# Altium PCB IntelligentCarFor51PcbDoc.PcbDoc (part 5 of 14)
Units mil, origin at the board's own origin, x right, y up, seen from the top; angles counter-clockwise.
Board outline 2298.05 x 2090.03 mil, 2 copper layers (Top Layer, Bottom Layer); 55 components, 66 nets, 258 pads, 143 vias.
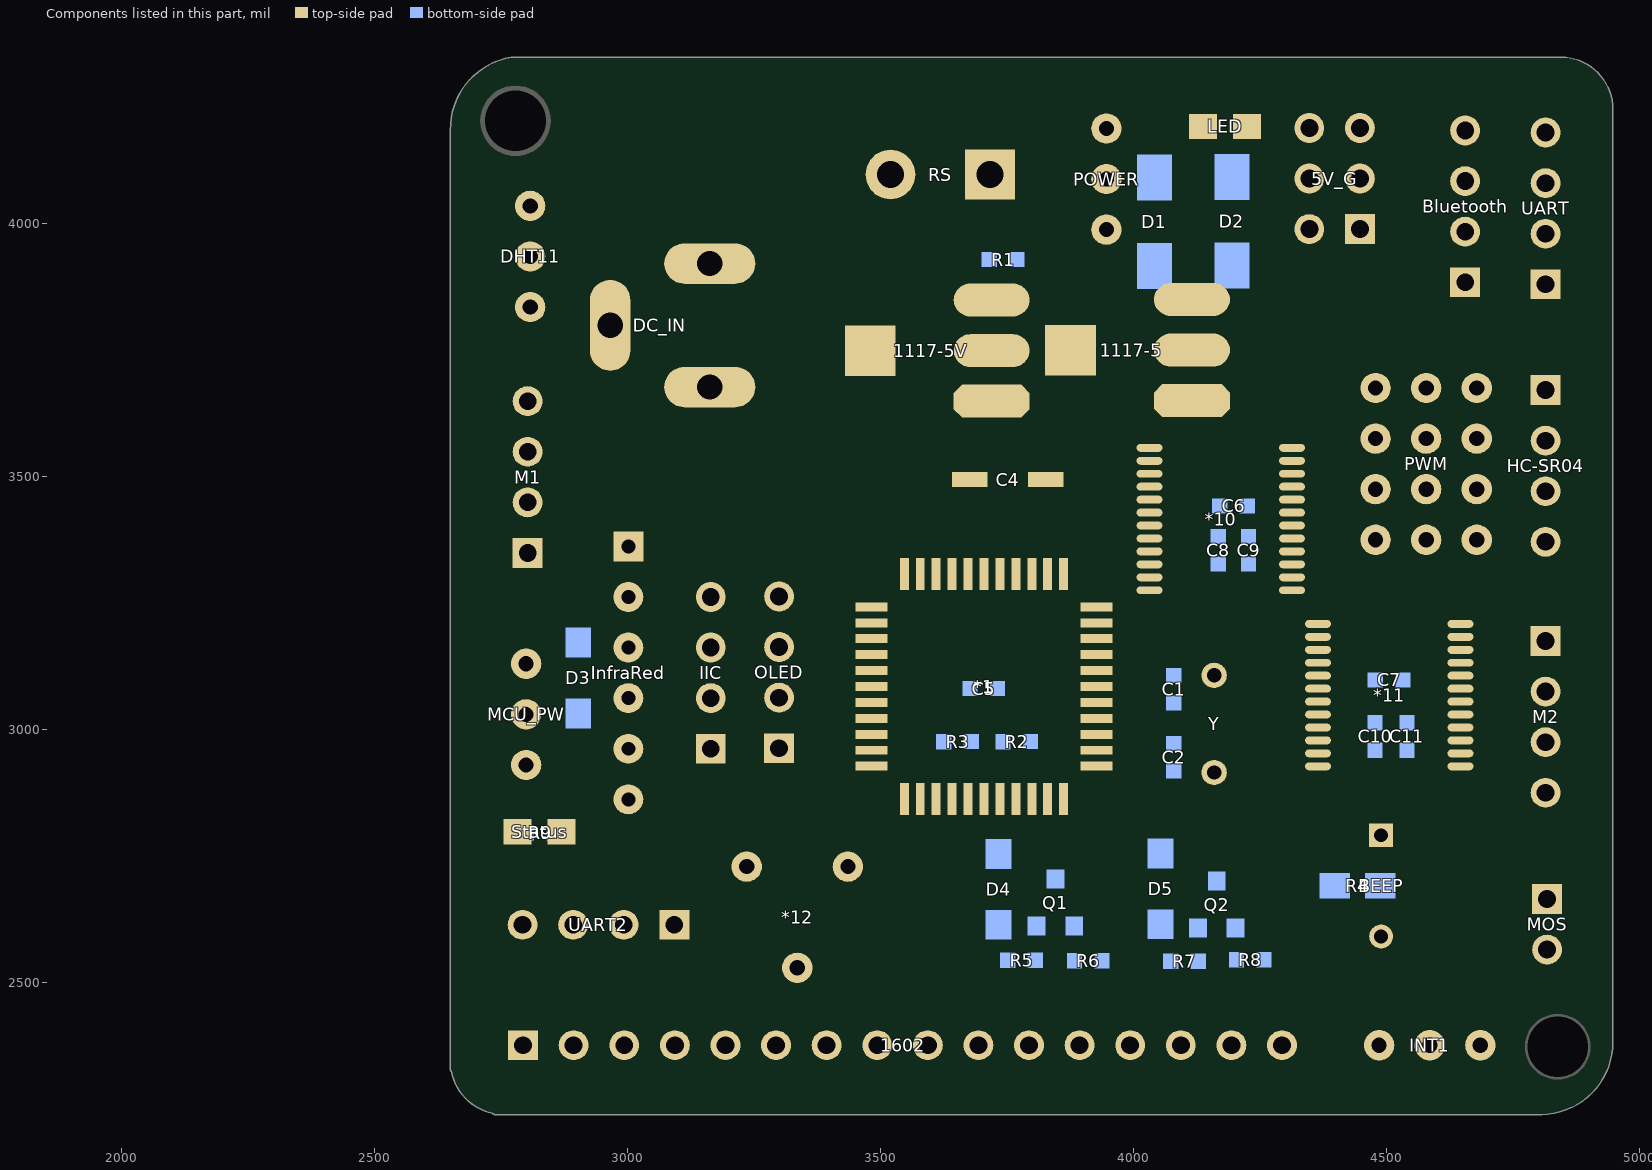
[diagram p5: the components of this part, seen from the top]

## Via types
v1: diameter 12, hole 8, Top Layer to Bottom Layer, 53 vias
v2: diameter 10, hole 7, Top Layer to Bottom Layer, 20 vias
v3: diameter 20, hole 12, Top Layer to Bottom Layer, 15 vias
v4: diameter 35, hole 25, Top Layer to Bottom Layer, 13 vias
v5: diameter 15, hole 10, Top Layer to Bottom Layer, 10 vias
v6: diameter 18, hole 12, Top Layer to Bottom Layer, 10 vias
v7: diameter 50, hole 35, Top Layer to Bottom Layer, 7 vias
v8: diameter 30, hole 20, Top Layer to Bottom Layer, 5 vias
v9: diameter 12, hole 7, Top Layer to Bottom Layer, 3 vias
v10: diameter 25, hole 18, Top Layer to Bottom Layer, 2 vias
v11: diameter 40, hole 30, Top Layer to Bottom Layer, 2 vias
v12: diameter 8, hole 7, Top Layer to Bottom Layer, 1 vias
v13: diameter 30, hole 22, Top Layer to Bottom Layer, 1 vias
v14: diameter 24, hole 18, Top Layer to Bottom Layer, 1 vias

## Nets (pads, with @x,y where several pads share a name; then routed paths per layer and width w, separated by ;. In a path a pad name is that pad's centre, name@x,y a point inside that pad or via, vN(x,y) a via of type N, cw(c..) or ccw(c..) an arc to the next point about the centre after c; other vN are vias at no path point) (continued)
copper on no net: (continued)
  Top Layer w0.3: 2202.8,3656.2 2204,3656.2 ; 2202.8,3656.5 2204,3656.5 ; 2202.8,3656.8 2203.7,3656.8 ; 2202.8,3671.5 2205.8,3671.5 ; 2202.8,3680.8 2204.3,3680.8 ; 2202.8,3774.4 2204.9,3774.4 ; 2203,4037.8 2205.1,4037.8 ; 2203,4055.5 2203.6,4055.5 ; 2203.1,3627.4 2210.6,3627.4 ; 2203.1,3627.7 2211.8,3627.7 ; 2203.1,3628 2213.3,3628 ; 2203.1,3655.3 2204.3,3655.3 ; 2203.1,3655.6 2204.3,3655.6 ; 2203.1,3655.9 2204,3655.9 ; 2203.1,3670.9 2206.1,3670.9 ; 2203.1,3671.2 2206.1,3671.2 ; 2203.1,3680.5 2204.6,3680.5 ; 2203.1,3760.3 2215.7,3760.3 ; 2203.1,3774.1 2204.9,3774.1 ; 2203.3,4037.5 2205.4,4037.5 ; 2203.3,4055.2 2203.9,4055.2 ; 2203.4,3628.3 2214.5,3628.3 ; 2203.4,3628.6 2215.7,3628.6 ; 2203.4,3628.9 2217.2,3628.9 ; 2203.4,3629.2 2218.4,3629.2 ; 2203.4,3654.4 2204.6,3654.4 ; 2203.4,3654.7 2204.6,3654.7 ; 2203.4,3655 2204.3,3655 ; 2203.4,3670.6 2206.1,3670.6 ; 2203.4,3680.2 2204.9,3680.2 ; 2203.4,3763.9 2210.3,3763.9 ; 2203.4,3773.8 2205.2,3773.8 ; 2203.6,4037.2 2205.7,4037.2 ; 2203.7,3629.5 2219.6,3629.5 ; 2203.7,3629.8 2220.8,3629.8 ; 2203.7,3630.1 2222,3630.1 ; 2203.7,3653.2 2204.9,3653.2 ; 2203.7,3653.5 2204.9,3653.5 ; 2203.7,3653.8 2204.9,3653.8 ; 2203.7,3654.1 2204.6,3654.1 ; 2203.7,3670.3 2206.4,3670.3 ; 2203.7,3679.6 2205.5,3679.6 ; 2203.7,3679.9 2205.2,3679.9 ; 2203.7,3753.7 2212.7,3753.7 ; 2203.7,3769.9 2205.2,3769.9 ; 2203.7,3770.2 2205.2,3770.2 ; 2203.7,3770.5 2205.2,3770.5 ; 2203.7,3770.8 2205.2,3770.8 ; 2203.7,3771.1 2205.2,3771.1 ; 2203.7,3771.4 2205.2,3771.4 ; 2203.7,3771.7 2205.2,3771.7 ; 2203.7,3772 2205.2,3772 ; 2203.7,3772.3 2205.2,3772.3 ; 2203.7,3772.6 2205.2,3772.6 ; 2203.7,3772.9 2205.2,3772.9 ; 2203.7,3773.2 2205.2,3773.2 ; 2203.7,3773.5 2205.2,3773.5 ; 2203.9,4036.9 2206.3,4036.9 ; 2203.9,4054.9 2204.2,4054.9 ; 2204,3630.4 2223.2,3630.4 ; 2204,3630.7 2224.7,3630.7 ; 2204,3631 2226.2,3631 ; 2204,3631.3 2227.4,3631.3 ; 2204,3652 2205.2,3652 ; 2204,3652.3 2205.2,3652.3 ; 2204,3652.6 2205.2,3652.6 ; 2204,3652.9 2204.9,3652.9 ; 2204,3669.7 2206.4,3669.7 ; 2204,3670 2206.4,3670 ; 2204,3679.3 2205.5,3679.3 ; 2204.2,4036.6 2206.6,4036.6 ; 2204.2,4054.6 2204.5,4054.6 ; 2204.3,3631.6 2228.6,3631.6 ; 2204.3,3631.9 2229.8,3631.9 ; 2204.3,3632.2 2231,3632.2 ; 2204.3,3632.5 2232.5,3632.5 ; 2204.3,3632.8 2233.4,3632.8 ; 2204.3,3650.5 2205.5,3650.5 ; 2204.3,3650.8 2205.5,3650.8 ; 2204.3,3651.1 2205.5,3651.1 ; 2204.3,3651.4 2205.5,3651.4 ; 2204.3,3651.7 2205.5,3651.7 ; 2204.3,3669.4 2206.7,3669.4 ; 2204.3,3678.7 2206.1,3678.7 ; 2204.3,3679 2205.8,3679 ; 2204.5,4036 2207.5,4036 ; 2204.5,4036.3 2206.9,4036.3 ; 2204.5,4054.3 2204.8,4054.3 ; 2204.6,3633.1 2234.9,3633.1 ; 2204.6,3633.4 2236.1,3633.4 ; 2204.6,3633.7 2237.6,3633.7 ; 2204.6,3634 2238.8,3634 ; 2204.6,3634.3 2240.3,3634.3 ; 2204.6,3634.6 2241.5,3634.6 ; 2204.6,3648.7 2206.1,3648.7 ; 2204.6,3649 2205.8,3649 ; 2204.6,3649.3 2205.8,3649.3 ; 2204.6,3649.6 2205.8,3649.6 ; 2204.6,3649.9 2205.8,3649.9 ; 2204.6,3650.2 2205.8,3650.2 ; 2204.6,3668.8 2207,3668.8 ; 2204.6,3669.1 2206.7,3669.1 ; 2204.6,3678.4 2206.1,3678.4 ; 2204.6,3760 2216.9,3760 ; 2204.8,4031.2 2219.5,4031.2 ; 2204.8,4035.7 2208.1,4035.7 ; 2204.8,4054 2205.1,4054 ; 2204.9,3634.9 2243,3634.9 ; 2204.9,3635.2 2244.8,3635.2 ; 2204.9,3635.5 2246.3,3635.5 ; 2204.9,3635.8 2247.8,3635.8 ; 2204.9,3636.1 2249.6,3636.1 ; 2204.9,3636.4 2251.1,3636.4 ; 2204.9,3636.7 2252.9,3636.7 ; 2204.9,3637 2254.4,3637 ; 2204.9,3646 2210.3,3646 ; 2204.9,3646.3 2210.3,3646.3 ; 2204.9,3646.6 2210.3,3646.6 ; 2204.9,3646.9 2210.3,3646.9 ; 2204.9,3647.2 2206.7,3647.2 ; 2204.9,3647.5 2206.4,3647.5 ; 2204.9,3647.8 2206.1,3647.8 ; 2204.9,3648.1 2206.1,3648.1 ; 2204.9,3648.4 2206.1,3648.4 ; 2204.9,3668.2 2207,3668.2 ; 2204.9,3668.5 2207,3668.5 ; 2204.9,3678.1 2206.4,3678.1 ; 2205.1,4030.9 2221.6,4030.9 ; 2205.1,4035.4 2208.7,4035.4 ; 2205.1,4053.7 2205.4,4053.7 ; 2205.2,3637.3 2255.9,3637.3 ; 2205.2,3637.6 2257.7,3637.6 ; 2205.2,3637.9 2259.2,3637.9 ; 2205.2,3638.2 2260.7,3638.2 ; 2205.2,3638.5 2262.5,3638.5 ; 2205.2,3638.8 2264,3638.8 ; 2205.2,3639.1 2265.5,3639.1 ; 2205.2,3639.4 2267,3639.4 ; 2205.2,3639.7 2268.5,3639.7 ; 2205.2,3640 2270,3640 ; 2205.2,3640.3 2271.5,3640.3 ; 2205.2,3640.6 2210.9,3640.6 ; 2205.2,3640.9 2210.9,3640.9 ; 2205.2,3641.2 2210.6,3641.2 ; 2205.2,3641.5 2210.6,3641.5 ; 2205.2,3641.8 2210.6,3641.8 ; 2205.2,3642.1 2210.6,3642.1 ; 2205.2,3642.4 2210.6,3642.4 ; 2205.2,3642.7 2210.6,3642.7 ; 2205.2,3643 2210.6,3643 ; 2205.2,3643.3 2210.6,3643.3 ; 2205.2,3643.6 2210.6,3643.6 ; 2205.2,3643.9 2210.3,3643.9 ; 2205.2,3644.2 2210.3,3644.2 ; 2205.2,3644.5 2210.3,3644.5 ; 2205.2,3644.8 2210.3,3644.8 ; 2205.2,3645.1 2210.3,3645.1 ; 2205.2,3645.4 2210.3,3645.4 ; 2205.2,3645.7 2210.3,3645.7 ; 2205.2,3667.6 2207.3,3667.6 ; 2205.2,3667.9 2207.3,3667.9 ; 2205.2,3677.5 2206.7,3677.5 ; 2205.2,3677.8 2206.7,3677.8 ; 2205.2,3719.5 2214.2,3719.5 ; 2205.2,3719.8 2213.9,3719.8 ; 2205.2,3720.1 2213.9,3720.1 ; 2205.2,3720.4 2213.9,3720.4 ; 2205.2,3720.7 2213.9,3720.7 ; 2205.2,3721 2213.9,3721 ; 2205.2,3721.3 2213.9,3721.3 ; 2205.2,3763.6 2211.5,3763.6 ; 2205.4,4035.1 2209.6,4035.1 ; 2205.4,4053.4 2206,4053.4 ; 2205.5,3667 2207.6,3667 ; 2205.5,3667.3 2207.3,3667.3 ; 2205.5,3677.2 2207,3677.2 ; 2205.5,3718.6 2231.6,3718.6 ; 2205.5,3718.9 2231.6,3718.9 ; 2205.5,3719.2 2214.8,3719.2 ; 2205.5,3721.6 2213.9,3721.6 ; 2205.5,3721.9 2213.9,3721.9 ; 2205.5,3722.2 2213.9,3722.2 ; 2205.5,3722.5 2213.9,3722.5 ; 2205.5,3722.8 2213.9,3722.8 ; 2205.5,3723.1 2213.9,3723.1 ; 2205.7,4034.8 2210.8,4034.8 ; 2205.8,3666.4 2207.6,3666.4 ; 2205.8,3666.7 2207.6,3666.7 ; 2205.8,3676.6 2207.3,3676.6 ; 2205.8,3676.9 2207,3676.9 ; 2205.8,3717.7 2231.6,3717.7 ; 2205.8,3718 2231.6,3718 ; 2205.8,3718.3 2231.6,3718.3 ; 2205.8,3723.4 2213.9,3723.4 ; 2205.8,3723.7 2213.9,3723.7 ; 2205.8,3724 2213.9,3724 ; 2205.8,3724.3 2213.9,3724.3 ; 2206,4030.3 2231.8,4030.3 ; 2206,4034.5 2212.3,4034.5 ; 2206.1,3665.8 2207.9,3665.8 ; 2206.1,3666.1 2207.9,3666.1 ; 2206.1,3676 2207.6,3676 ; 2206.1,3676.3 2207.3,3676.3 ; 2206.1,3717.4 2231.6,3717.4 ; 2206.1,3724.6 2213.9,3724.6 ; 2206.1,3724.9 2213.9,3724.9 ; 2206.1,3725.2 2214.2,3725.2 ; 2206.1,3725.5 2214.2,3725.5 ; 2206.1,3725.8 2214.2,3725.8 ; 2206.1,3759.7 2218.4,3759.7 ; 2206.1,3779.5 2211.2,3779.5 ; 2206.1,3779.8 2210,3779.8 ; 2206.3,4034.2 2222.2,4034.2 ; 2206.3,4052.8 2206.6,4052.8 ; 2206.4,3664.9 2208.2,3664.9 ; 2206.4,3665.2 2207.9,3665.2 ; 2206.4,3665.5 2207.9,3665.5 ; 2206.4,3675.4 2207.9,3675.4 ; 2206.4,3675.7 2207.6,3675.7 ; 2206.4,3717.1 2215.7,3717.1 ; 2206.4,3726.1 2214.2,3726.1 ; 2206.4,3726.4 2214.2,3726.4 ; 2206.4,3726.7 2214.2,3726.7 ; 2206.4,3727 2214.2,3727 ; 2206.4,3727.3 2214.2,3727.3 ; 2206.4,3727.6 2214.2,3727.6 ; 2206.4,3763.3 2212.7,3763.3 ; 2206.4,3769 2208.2,3769 ; 2206.4,3769.3 2207.9,3769.3 ; 2206.4,3778 2216,3778 ; 2206.4,3778.3 2215.1,3778.3 ; 2206.4,3778.6 2214.2,3778.6 ; 2206.4,3778.9 2213,3778.9 ; 2206.4,3779.2 2212.1,3779.2 ; 2206.6,4029.7 2222.8,4029.7 ; 2206.6,4033.9 2220.4,4033.9 ; 2206.7,3664.3 2208.2,3664.3 ; 2206.7,3664.6 2208.2,3664.6 ; 2206.7,3674.8 2208.2,3674.8 ; 2206.7,3675.1 2207.9,3675.1 ; 2206.7,3716.8 2215.7,3716.8 ; 2206.7,3727.9 2214.2,3727.9 ; 2206.7,3728.2 2214.2,3728.2 ; 2206.7,3728.5 2214.2,3728.5 ; 2206.7,3728.8 2214.5,3728.8 ; 2206.7,3729.1 2214.5,3729.1 ; 2206.7,3729.4 2214.5,3729.4 ; 2206.7,3729.7 2214.5,3729.7 ; 2206.7,3769.6 2207.9,3769.6 ; 2206.7,3769.9 2207.9,3769.9 ; 2206.7,3770.2 2207.9,3770.2 ; 2206.7,3770.5 2207.9,3770.5 ; 2206.7,3770.8 2207.9,3770.8 ; 2206.7,3771.1 2207.9,3771.1 ; 2206.7,3771.4 2207.9,3771.4 ; 2206.7,3771.7 2207.9,3771.7 ; 2206.7,3772 2207.9,3772 ; 2206.7,3772.3 2207.9,3772.3 ; 2206.7,3772.6 2207.9,3772.6 ; 2206.7,3772.9 2208.2,3772.9 ; 2206.7,3773.2 2208.5,3773.2 ; 2206.7,3773.5 2231,3773.5 ; 2206.7,3773.8 2230.1,3773.8 ; 2206.7,3774.1 2228.9,3774.1 ; 2206.7,3774.4 2228,3774.4 ; 2206.7,3774.7 2227.1,3774.7 ; 2206.7,3775 2225.9,3775 ; 2206.7,3775.3 2225,3775.3 ; 2206.7,3775.6 2224.1,3775.6 ; 2206.7,3775.9 2223.2,3775.9 ; 2206.7,3776.2 2222,3776.2 ; 2206.7,3776.5 2221.1,3776.5 ; 2206.7,3776.8 2220.2,3776.8 ; 2206.7,3777.1 2219,3777.1 ; 2206.7,3777.4 2218.1,3777.4 ; 2206.7,3777.7 2217.2,3777.7 ; 2206.9,4029.1 2223.4,4029.1 ; 2206.9,4032.1 2207.2,4032.1 ; 2206.9,4033.6 2218.3,4033.6 ; 2206.9,4052.2 2207.2,4052.2 ; 2207,3663.4 2208.5,3663.4 ; 2207,3663.7 2208.5,3663.7 ; 2207,3664 2208.5,3664 ; 2207,3674.5 2208.2,3674.5 ; 2207,3716.5 2215.4,3716.5 ; 2207,3730 2214.5,3730 ; 2207,3730.3 2214.5,3730.3 ; 2207,3730.6 2214.5,3730.6 ; 2207,3730.9 2214.5,3730.9 ; 2207,3731.2 2214.5,3731.2 ; 2207,3731.5 2214.8,3731.5 ; 2207,3731.8 2214.8,3731.8 ; 2207,3732.1 2214.8,3732.1 ; 2207.2,4028.8 2223.7,4028.8 ; 2207.2,4033.3 2214.7,4033.3 ; 2207.2,4051.9 2207.5,4051.9 ; 2207.3,3662.5 2208.8,3662.5 ; 2207.3,3662.8 2208.8,3662.8 ; 2207.3,3663.1 2208.5,3663.1 ; 2207.3,3673.9 2208.5,3673.9 ; 2207.3,3674.2 2208.5,3674.2 ; 2207.3,3732.4 2214.8,3732.4 ; 2207.3,3732.7 2214.8,3732.7 ; 2207.3,3733 2214.8,3733 ; 2207.3,3733.3 2214.8,3733.3 ; 2207.3,3733.6 2215.1,3733.6 ; 2207.3,3733.9 2215.1,3733.9 ; 2207.3,3734.2 2215.1,3734.2 ; 2207.3,3734.5 2215.1,3734.5 ; 2207.5,4028.2 2251.3,4028.2 ; 2207.5,4051.6 2207.8,4051.6 ; 2207.6,3661.6 2209.1,3661.6 ; 2207.6,3661.9 2208.8,3661.9 ; 2207.6,3662.2 2208.8,3662.2 ; 2207.6,3673.3 2208.8,3673.3 ; 2207.6,3673.6 2208.8,3673.6 ; 2207.6,3716.2 2215.4,3716.2 ; 2207.6,3734.8 2215.1,3734.8 ; 2207.6,3735.1 2215.1,3735.1 ; 2207.6,3735.4 2215.1,3735.4 ; 2207.6,3735.7 2215.4,3735.7 ; 2207.6,3736 2215.4,3736 ; 2207.6,3736.3 2215.4,3736.3 ; 2207.6,3736.6 2215.4,3736.6 ; 2207.6,3759.4 2220.5,3759.4 ; 2207.6,3766.6 2217.5,3766.6 ; 2207.8,4027.3 2257,4027.3 ; 2207.8,4027.6 2255.5,4027.6 ; 2207.8,4032.1 2242.3,4032.1 ; 2207.8,4051.3 2208.1,4051.3 ; 2207.9,3660.4 2209.4,3660.4 ; 2207.9,3660.7 2209.1,3660.7 ; 2207.9,3661 2209.1,3661 ; 2207.9,3661.3 2209.1,3661.3 ; 2207.9,3672.4 2209.4,3672.4 ; 2207.9,3672.7 2209.1,3672.7 ; 2207.9,3673 2209.1,3673 ; 2207.9,3712.6 2216.9,3712.6 ; 2207.9,3712.9 2217.2,3712.9 ; 2207.9,3736.9 2215.7,3736.9 ; 2207.9,3737.2 2215.7,3737.2 ; 2207.9,3737.5 2215.7,3737.5 ; 2207.9,3737.8 2215.7,3737.8 ; 2207.9,3738.1 2216,3738.1 ; 2207.9,3738.4 2216,3738.4 ; 2207.9,3751.9 2227.1,3751.9 ; 2207.9,3763 2214.2,3763 ; 2208.1,4051 2208.4,4051 ; 2208.2,3658.9 2209.7,3658.9 ; 2208.2,3659.2 2209.4,3659.2 ; 2208.2,3659.5 2209.4,3659.5 ; 2208.2,3659.8 2209.4,3659.8 ; 2208.2,3660.1 2209.4,3660.1 ; 2208.2,3671.8 2209.7,3671.8 ; 2208.2,3672.1 2209.4,3672.1 ; 2208.2,3715.9 2215.4,3715.9 ; 2208.2,3738.7 2216.3,3738.7 ; 2208.2,3739 2231,3739 ; 2208.2,3739.3 2231,3739.3 ; 2208.2,3739.6 2231,3739.6 ; 2208.2,3739.9 2230.7,3739.9 ; 2208.2,3740.2 2230.7,3740.2 ; 2208.4,4050.7 2208.7,4050.7 ; 2208.5,3657.1 2210,3657.1 ; 2208.5,3657.4 2210,3657.4 ; 2208.5,3657.7 2210,3657.7 ; 2208.5,3658 2209.7,3658 ; 2208.5,3658.3 2209.7,3658.3 ; 2208.5,3658.6 2209.7,3658.6 ; 2208.5,3671.2 2210,3671.2 ; 2208.5,3671.5 2209.7,3671.5 ; 2208.5,3712.3 2216.9,3712.3 ; 2208.5,3740.5 2230.4,3740.5 ; 2208.5,3740.8 2229.8,3740.8 ; 2208.7,4050.4 2209,4050.4 ; 2208.8,3654.1 2210.3,3654.1 ; 2208.8,3654.4 2210.3,3654.4 ; 2208.8,3654.7 2210.3,3654.7 ; 2208.8,3655 2210.3,3655 ; 2208.8,3655.3 2210.3,3655.3 ; 2208.8,3655.6 2210.3,3655.6 ; 2208.8,3655.9 2210,3655.9 ; 2208.8,3656.2 2210,3656.2 ; 2208.8,3656.5 2210,3656.5 ; 2208.8,3656.8 2210,3656.8 ; 2208.8,3670.6 2210.3,3670.6 ; 2208.8,3670.9 2210,3670.9 ; 2208.8,3713.2 2211.5,3713.2 ; 2208.8,3715.6 2215.4,3715.6 ; 2208.8,3741.1 2217.2,3741.1 ; 2208.8,3741.4 2217.2,3741.4 ; 2208.8,3766.3 2218.7,3766.3 ; 2209.1,3647.2 2210.3,3647.2 ; 2209.1,3651.1 2210.3,3651.1 ; 2209.1,3651.4 2210.3,3651.4 ; 2209.1,3651.7 2210.3,3651.7 ; 2209.1,3652 2210.3,3652 ; 2209.1,3652.3 2210.3,3652.3 ; 2209.1,3652.6 2210.3,3652.6 ; 2209.1,3652.9 2210.3,3652.9 ; 2209.1,3653.2 2210.3,3653.2 ; 2209.1,3653.5 2210.3,3653.5 ; 2209.1,3653.8 2210.3,3653.8 ; 2209.1,3669.7 2246,3669.7 ; 2209.1,3670 2213.9,3670 ; 2209.1,3670.3 2210.6,3670.3 ; 2209.1,3741.7 2217.2,3741.7 ; 2209.1,3746.5 2218.4,3746.5 ; 2209.1,3746.8 2218.1,3746.8 ; 2209.1,3759.1 2222,3759.1 ; 2209.3,4050.1 2209.6,4050.1 ; 2209.4,3647.5 2210.3,3647.5 ; 2209.4,3647.8 2210.3,3647.8 ; 2209.4,3648.1 2210.3,3648.1 ; 2209.4,3648.4 2210.3,3648.4 ; 2209.4,3648.7 2210.3,3648.7 ; 2209.4,3649 2210.3,3649 ; 2209.4,3649.3 2210.3,3649.3 ; 2209.4,3649.6 2210.3,3649.6 ; 2209.4,3649.9 2210.3,3649.9 ; 2209.4,3650.2 2210.3,3650.2 ; 2209.4,3650.5 2210.3,3650.5 ; 2209.4,3650.8 2210.3,3650.8 ; 2209.4,3669.1 2246.3,3669.1 ; 2209.4,3669.4 2246,3669.4 ; 2209.4,3742 2217.2,3742 ; 2209.4,3747.1 2215.4,3747.1 ; 2209.4,3762.7 2215.4,3762.7 ; 2209.7,3668.5 2211.5,3668.5 ; 2209.7,3668.8 2219,3668.8 ; 2209.7,3715.3 2215.1,3715.3 ; 2209.7,3742.3 2216.9,3742.3 ; 2209.7,3773.2 2231.9,3773.2 ; 2209.9,4049.5 2210.2,4049.5 ; 2210,3667.6 2211.5,3667.6 ; 2210,3667.9 2211.5,3667.9 ; 2210,3668.2 2211.5,3668.2 ; 2210,3746.2 2218.7,3746.2 ; 2210,3766 2220.2,3766 ; 2210.2,4049.2 2210.5,4049.2 ; 2210.3,3667 2211.5,3667 ; 2210.3,3667.3 2211.5,3667.3 ; 2210.3,3742.6 2216.3,3742.6 ; 2210.5,4048.9 2210.8,4048.9 ; 2210.6,3665.8 2211.8,3665.8 ; 2210.6,3666.1 2211.8,3666.1 ; 2210.6,3666.4 2211.8,3666.4 ; 2210.6,3666.7 2211.8,3666.7 ; 2210.6,3762.4 2216.9,3762.4 ; 2210.8,4048.6 2211.1,4048.6 ; 2210.9,3664.9 2212.1,3664.9 ; 2210.9,3665.2 2212.1,3665.2 ; 2210.9,3665.5 2212.1,3665.5 ; 2210.9,3715 2214.8,3715 ; 2210.9,3758.8 2223.5,3758.8 ; 2210.9,3772.9 2232.8,3772.9 ; 2211.1,4048.3 2211.4,4048.3 ; 2211.2,3640.6 2273,3640.6 ; 2211.2,3663.1 2212.4,3663.1 ; 2211.2,3663.4 2212.4,3663.4 ; 2211.2,3663.7 2212.4,3663.7 ; 2211.2,3664 2212.4,3664 ; 2211.2,3664.3 2212.1,3664.3 ; 2211.2,3664.6 2212.1,3664.6 ; 2211.2,3765.7 2221.4,3765.7 ; 2211.4,4048 2211.7,4048 ; 2211.5,3640.9 2274.2,3640.9 ; 2211.5,3641.2 2276,3641.2 ; 2211.5,3641.5 2277.2,3641.5 ; 2211.5,3641.8 2278.7,3641.8 ; 2211.5,3661 2212.7,3661 ; 2211.5,3661.3 2212.7,3661.3 ; 2211.5,3661.6 2212.7,3661.6 ; 2211.5,3661.9 2212.7,3661.9 ; 2211.5,3662.2 2212.7,3662.2 ; 2211.5,3662.5 2212.4,3662.5 ; 2211.5,3662.8 2212.4,3662.8 ; 2211.5,3712 2216.6,3712 ; 2211.5,3742.9 2214.8,3742.9 ; 2211.7,4047.7 2212,4047.7 ; 2211.8,3642.1 2279.9,3642.1 ; 2211.8,3642.4 2281.4,3642.4 ; 2211.8,3642.7 2282.9,3642.7 ; 2211.8,3643 2284.4,3643 ; 2211.8,3643.3 2285.6,3643.3 ; 2211.8,3643.6 2287.1,3643.6 ; 2211.8,3643.9 2288.6,3643.9 ; 2211.8,3644.2 2216.6,3644.2 ; 2211.8,3644.5 2216,3644.5 ; 2211.8,3644.8 2216,3644.8 ; 2211.8,3645.1 2216.6,3645.1 ; 2211.8,3645.4 2218.4,3645.4 ; 2211.8,3645.7 2220.5,3645.7 ; 2211.8,3646 2222.3,3646 ; 2211.8,3646.3 2213.9,3646.3 ; 2211.8,3646.6 2213.6,3646.6 ; 2211.8,3646.9 2213.3,3646.9 ; 2211.8,3647.2 2213.3,3647.2 ; 2211.8,3648.7 2213.3,3648.7 ; 2211.8,3649.6 2219.6,3649.6 ; 2211.8,3649.9 2223.8,3649.9 ; 2211.8,3650.5 2229.5,3650.5 ; 2211.8,3650.8 2213.9,3650.8 ; 2211.8,3651.1 2213.3,3651.1 ; 2211.8,3651.4 2213.3,3651.4 ; 2211.8,3651.7 2213,3651.7 ; 2211.8,3652 2213,3652 ; 2211.8,3652.3 2213,3652.3 ; 2211.8,3652.6 2213,3652.6 ; 2211.8,3652.9 2213,3652.9 ; 2211.8,3653.2 2213,3653.2 ; 2211.8,3653.5 2213,3653.5 ; 2211.8,3653.8 2213,3653.8 ; 2211.8,3654.1 2213,3654.1 ; 2211.8,3654.4 2213,3654.4 ; 2211.8,3654.7 2213,3654.7 ; 2211.8,3655 2213,3655 ; 2211.8,3655.3 2213,3655.3 ; 2211.8,3655.6 2213,3655.6 ; 2211.8,3655.9 2213,3655.9 ; 2211.8,3656.2 2213,3656.2 ; 2211.8,3656.5 2213,3656.5 ; 2211.8,3656.8 2213,3656.8 ; 2211.8,3657.1 2213,3657.1 ; 2211.8,3657.4 2213,3657.4 ; 2211.8,3657.7 2213,3657.7 ; 2211.8,3658 2213,3658 ; 2211.8,3658.3 2213,3658.3 ; 2211.8,3658.6 2213,3658.6 ; 2211.8,3658.9 2213,3658.9 ; 2211.8,3659.2 2213,3659.2 ; 2211.8,3659.5 2213,3659.5 ; 2211.8,3659.8 2212.7,3659.8 ; 2211.8,3660.1 2212.7,3660.1 ; 2211.8,3660.4 2212.7,3660.4 ; 2211.8,3660.7 2212.7,3660.7 ; 2211.8,3772.6 2234,3772.6 ; 2212,4047.4 2212.3,4047.4 ; 2212.1,3647.5 2213.3,3647.5 ; 2212.1,3647.8 2213.3,3647.8 ; 2212.1,3648.1 2213,3648.1 ; 2212.1,3648.4 2213.3,3648.4 ; 2212.1,3649 2213.9,3649 ; 2212.1,3649.3 2215.4,3649.3 ; 2212.1,3650.2 2226.8,3650.2 ; 2212.1,3762.1 2218.1,3762.1 ; 2212.3,4047.1 2212.6,4047.1 ; 2212.4,3751.6 2229.8,3751.6 ; 2212.4,3758.5 2249.6,3758.5 ; 2212.4,3765.4 2222.6,3765.4 ; 2212.6,4046.8 2212.9,4046.8 ; 2212.7,3714.7 2213.6,3714.7 ; 2212.7,3745.9 2219,3745.9 ; 2212.9,4046.5 2213.2,4046.5 ; 2213,3711.7 2216,3711.7 ; 2213,3772.3 2234.9,3772.3 ; 2213.2,4046.2 2213.5,4046.2 ; 2213.5,4031.8 2243.8,4031.8 ; 2213.5,4045.9 2213.8,4045.9 ; 2213.6,3761.8 2219.6,3761.8 ; 2213.6,3765.1 2227.7,3765.1 ; 2213.9,3772 2235.8,3772 ; 2214.1,4024.6 2214.4,4024.6 ; 2214.2,3758.2 2250.8,3758.2 ; 2214.7,4024.6 2265.1,4024.6 ; 2214.7,4033 2237.8,4033 ; 2215,3988.9 2217.7,3988.9 ; 2215.1,3713.2 2217.2,3713.2 ; 2215.1,3761.5 2221.1,3761.5 ; 2215.1,3764.8 2228,3764.8 ; 2215.1,3771.7 2236.7,3771.7 ; 2215.3,4044.4 2215.6,4044.4 ; 2215.4,3713.5 2217.2,3713.5 ; 2215.4,3751.3 2262.8,3751.3 ; 2215.6,4044.1 2215.9,4044.1 ; 2215.7,3713.8 2217.2,3713.8 ; 2215.7,3714.1 2217.5,3714.1 ; 2215.7,3745.6 2219,3745.6 ; 2215.9,4043.8 2216.2,4043.8 ; 2216,3714.4 2217.5,3714.4 ; 2216,3714.7 2217.5,3714.7 ; 2216,3715 2217.5,3715 ; 2216,3715.3 2217.5,3715.3 ; 2216,3716.8 2231.3,3716.8 ; 2216,3717.1 2231.3,3717.1 ; 2216,3719.2 2218.7,3719.2 ; 2216,3757.9 2252,3757.9 ; 2216,3764.5 2228,3764.5 ; 2216.2,4043.5 2216.5,4043.5 ; 2216.3,3715.6 2217.5,3715.6 ; 2216.3,3715.9 2217.5,3715.9 ; 2216.3,3716.2 2217.5,3716.2 ; 2216.3,3716.5 2217.5,3716.5 ; 2216.3,3719.5 2218.4,3719.5 ; 2216.3,3719.8 2218.1,3719.8 ; 2216.3,3720.1 2218.1,3720.1 ; 2216.3,3761.2 2222.3,3761.2 ; 2216.3,3771.4 2237.9,3771.4 ; 2216.5,4021.9 2223.4,4021.9 ; 2216.5,4022.2 2222.2,4022.2 ; 2216.5,4023.1 2222.8,4023.1 ; 2216.5,4024 2221.3,4024 ; 2216.5,4034.5 2223.4,4034.5 ; 2216.5,4043.2 2216.8,4043.2 ; 2216.6,3720.4 2218.1,3720.4 ; 2216.6,3720.7 2218.1,3720.7 ; 2216.6,3721 2218.1,3721 ; 2216.6,3721.3 2218.1,3721.3 ; 2216.6,3721.6 2218.1,3721.6 ; 2216.6,3721.9 2218.1,3721.9 ; 2216.6,3722.2 2218.1,3722.2 ; 2216.6,3722.5 2218.1,3722.5 ; 2216.6,3722.8 2218.1,3722.8 ; 2216.6,3723.1 2218.1,3723.1 ; 2216.6,3723.4 2218.1,3723.4 ; 2216.6,3723.7 2218.1,3723.7 ; 2216.6,3724 2218.1,3724 ; 2216.8,3988.6 2217.1,3988.6 ; 2216.8,4022.8 2223.1,4022.8 ; 2216.8,4042.9 2217.1,4042.9 ; 2216.9,3724.3 2218.1,3724.3 ; 2216.9,3724.6 2218.1,3724.6 ; 2216.9,3724.9 2218.1,3724.9 ; 2216.9,3725.2 2218.1,3725.2 ; 2216.9,3725.5 2218.1,3725.5 ; 2216.9,3725.8 2218.1,3725.8 ; 2216.9,3726.1 2218.1,3726.1 ; 2216.9,3726.4 2218.1,3726.4 ; 2216.9,3726.7 2218.1,3726.7 ; 2216.9,3727 2218.1,3727 ; 2216.9,3727.3 2218.1,3727.3 ; 2216.9,3727.6 2218.1,3727.6 ; 2216.9,3727.9 2218.1,3727.9 ; 2216.9,3728.2 2218.1,3728.2 ; 2216.9,3728.5 2218.1,3728.5 ; 2216.9,3728.8 2218.1,3728.8 ; 2216.9,3729.1 2218.1,3729.1 ; 2216.9,3729.4 2218.1,3729.4 ; 2217.1,4042.6 2217.4,4042.6 ; 2217.2,3646.3 2224.7,3646.3 ; 2217.2,3729.7 2218.1,3729.7 ; 2217.2,3730 2218.1,3730 ; 2217.2,3730.3 2218.1,3730.3 ; 2217.2,3730.6 2218.1,3730.6 ; 2217.2,3730.9 2218.1,3730.9 ; 2217.2,3731.2 2218.1,3731.2 ; 2217.2,3731.5 2218.1,3731.5 ; 2217.2,3731.8 2218.1,3731.8 ; 2217.2,3732.1 2218.4,3732.1 ; 2217.2,3732.4 2218.4,3732.4 ; 2217.2,3732.7 2218.4,3732.7 ; 2217.2,3733 2218.4,3733 ; 2217.2,3733.3 2218.4,3733.3 ; 2217.2,3733.6 2218.4,3733.6 ; 2217.2,3733.9 2218.4,3733.9 ; 2217.2,3734.2 2218.4,3734.2 ; 2217.2,3734.5 2218.4,3734.5 ; 2217.2,3734.8 2218.4,3734.8 ; 2217.2,3735.1 2218.4,3735.1 ; 2217.2,3735.4 2218.4,3735.4 ; 2217.2,3738.4 2219,3738.4 ; 2217.2,3738.7 2231.3,3738.7 ; 2217.2,3745.3 2219.3,3745.3 ; 2217.2,3764.2 2228.3,3764.2 ; 2217.4,4003.3 2221.9,4003.3 ; 2217.5,3735.7 2218.4,3735.7 ; 2217.5,3736 2218.4,3736 ; 2217.5,3736.3 2218.7,3736.3 ; 2217.5,3736.6 2218.7,3736.6 ; 2217.5,3736.9 2218.7,3736.9 ; 2217.5,3737.2 2218.7,3737.2 ; 2217.5,3737.5 2218.7,3737.5 ; 2217.5,3737.8 2218.7,3737.8 ; 2217.5,3738.1 2218.7,3738.1 ; 2217.5,3745 2219.3,3745 ; 2217.5,3757.6 2253.2,3757.6 ; 2217.5,3760.9 2223.8,3760.9 ; 2217.5,3771.1 2238.8,3771.1 ; 2217.7,4023.7 2221.9,4023.7 ; 2217.7,4042 2218,4042 ; 2217.8,3741.1 2228.9,3741.1 ; 2217.8,3741.4 2226.8,3741.4 ; 2217.8,3744.7 2219.3,3744.7 ; 2218,3988.9 2220.4,3988.9 